# Altium PCB CONTROLLER_BASE.PcbDoc (part 5 of 7) (continued)
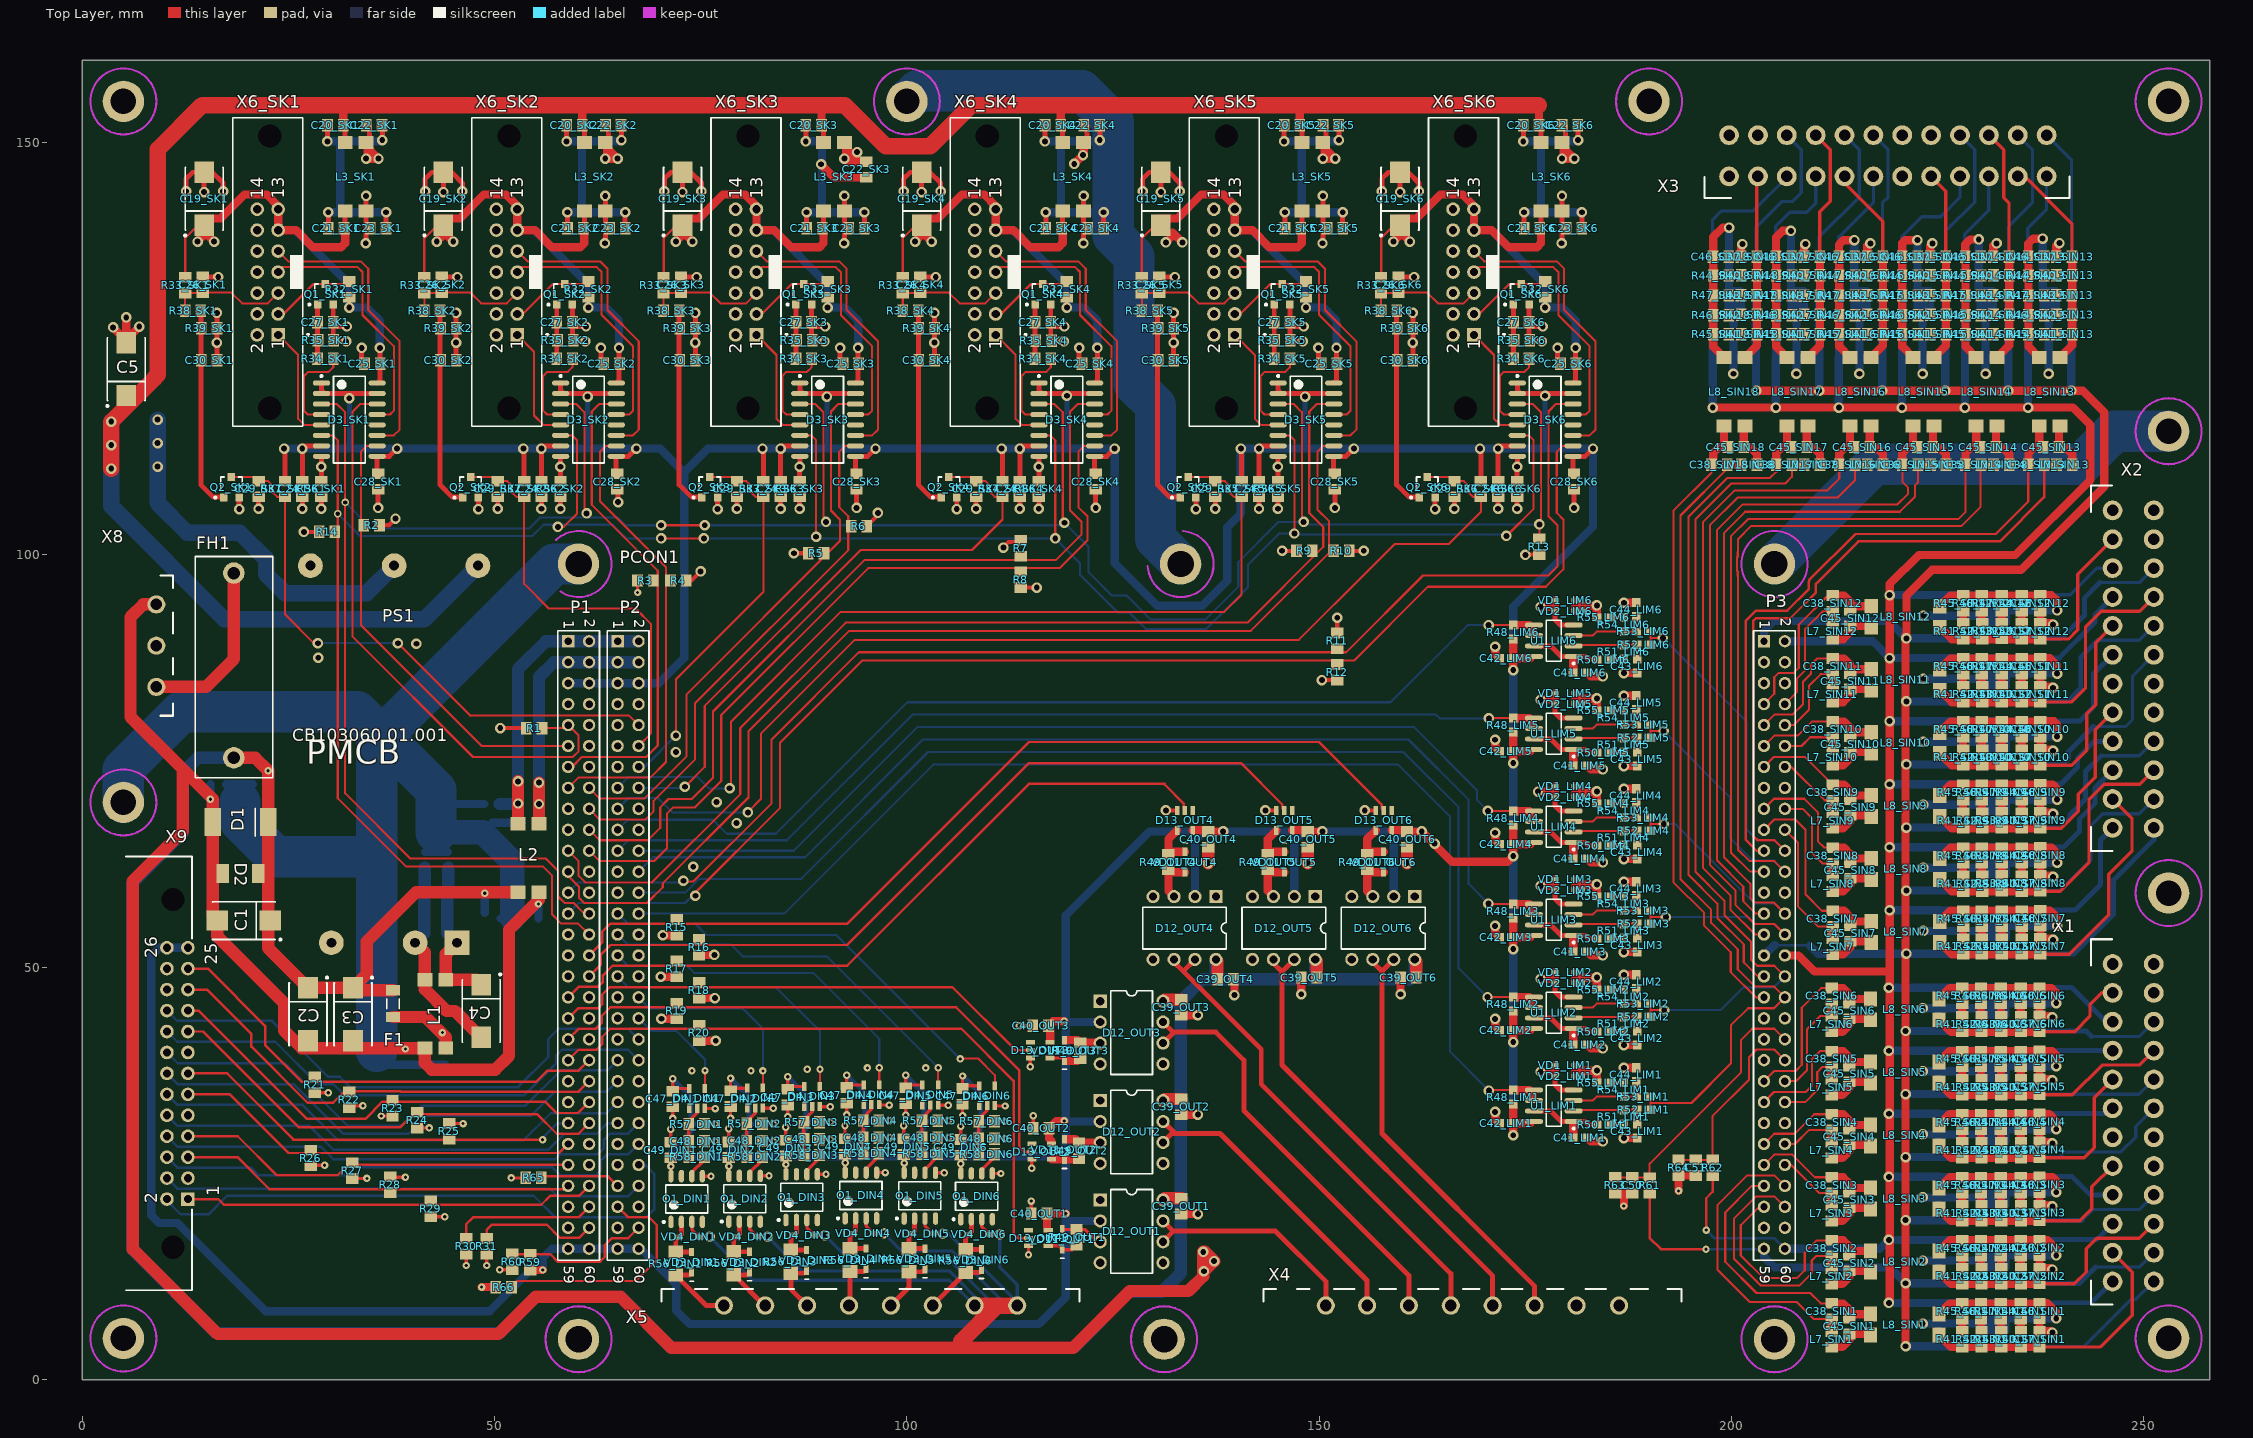
[diagram p0: Top Layer view]
## Nets (pads, with @x,y where several pads share a name; then routed paths per layer and width w, separated by ;. In a path a pad name is that pad's centre, name@x,y a point inside that pad or via, vN(x,y) a via of type N, cw(c..) or ccw(c..) an arc to the next point about the centre after c; other vN are vias at no path point) (continued)
  Top Layer w1: v1(70.165,48.859) R17.2@72.085,48.859 ; v1(70.246,43.754) R19.2@72.111,43.754 ; v1(70.419,53.889) R15.2@72.111,53.889 ; R16.2@74.803,51.501 v1(76.672,51.501) ; R20.2@74.828,41.087 v1(76.825,41.087) ; R18.2@74.828,46.269 v1(76.723,46.269) ; v1(171.335,32.475) 171.335,31.574 C42_LIM1.2@171.831,31.078 ; v1(171.335,43.752) 171.335,42.852 C42_LIM2.2@171.831,42.355 ; v1(171.335,55.03) 171.335,54.129 C42_LIM3.2@171.831,53.633 ; v1(171.335,66.308) 171.335,65.407 C42_LIM4.2@171.831,64.911 ; v1(171.335,77.585) 171.335,76.684 C42_LIM5.2@171.831,76.188 ; v1(171.335,88.863) 171.335,87.962 C42_LIM6.2@171.831,87.466 ; v1@176.555,71.323 178.594,71.323 ; v1(176.835,48.59) 178.34,48.59 178.594,48.844 ; v1(176.835,59.868) 176.86,59.893 178.594,59.893 ; v1(176.835,82.423) 176.886,82.474 178.594,82.474 ; v1(176.835,93.701) 176.86,93.726 178.594,93.726 ; VD2_LIM1.1@178.594,36.793 VD1_LIM1.2@178.594,38.114 ; VD2_LIM2.1@178.594,48.07 178.594,48.844 ; VD1_LIM2.2@178.594,49.391 178.594,48.844 ; VD2_LIM3.1@178.594,59.348 178.594,59.893 ; VD1_LIM3.2@178.594,60.669 178.594,59.893 ; VD2_LIM4.1@178.594,70.626 178.594,71.323 ; VD1_LIM4.2@178.594,71.946 178.594,71.323 ; VD2_LIM5.1@178.594,81.903 178.594,82.474 ; VD1_LIM5.2@178.594,83.224 178.594,82.474 ; VD2_LIM6.1@178.594,93.181 178.594,93.726 ; VD1_LIM6.2@178.594,94.502 178.594,93.726
  Top Layer w1.5: v1(136.551,62.627) C40_OUT4.2@136.551,64.572 ; v1(148.601,62.627) C40_OUT5.2@148.601,64.572 ; v1(160.651,62.627) C40_OUT6.2@160.651,64.572
  other v1: 74.1,62.2 79.35,67.488 76.937,70.028 176.53,71.298 72,76.1 28.626,87.528 40.538,89.23
  other v2: 81.102,37.44 73.939,37.465 87.909,37.643 95.225,37.795 102.311,37.795
DRIVER_RESET: D3_SK1.6 D3_SK2.6 D3_SK3.6 D3_SK4.6 D3_SK5.6 D3_SK6.6 PCON1.P1_30 R14.1 | length 312.5
  Top Layer w0.254: D3_SK1.6@29.025,114.495 30.405,114.495 31,113.9 v3(31,105) 31,70.5 39.3,62.2 55.9,62.2 57,61.1 57,56.4 58.1,55.3 60.144,55.3 PCON1.P1_30@61.47,53.974 ; v1(57.683,103.403) 58.4,103.403 60,105.004 60,113.9 59.405,114.495 D3_SK2.6@58.025,114.495 ; v1(70.2,102) v1(75.4,102) ; D3_SK3.6@87.025,114.495 88.405,114.495 89,113.9 v1(89,102.2) ; D3_SK4.6@116.025,114.495 117.405,114.495 118,113.9 v1(118,102) ; D3_SK5.6@145.025,114.495 146.405,114.495 147,113.9 v1(147,102.6) ; v1(172.707,102.3) 176,105.593 176,113.9 175.405,114.495 D3_SK6.6@174.025,114.495
  Bottom Layer w0.254: v3(31,105) 33.7,102.3 54.6,102.3 55.957,103.657 64.343,103.657 66,102 v1(70.2,102) ; v1(75.4,102) v1(118,102) 120.993,99.007 120.993,97.6 125.57,93.022 126.978,93.022 128.966,91.034 136.335,91.034 141.364,96.063 141.364,98.819 145.145,102.6 v1(147,102.6) ; v1@147,102.5 v1@172.8,102.5
ERR_IN1: C29_SK1.2 PCON1.P2_10 Q2_SK1.3 R37_SK1.2 | length 70
  Top Layer w0.254: Q2_SK1.3@18.1,109.45 C29_SK1.2@20.9,109.45 ; C29_SK1.2@21.4,108.95 22.55,108.95 23,108.5 23,107.7 23.65,107.05 R37_SK1.2@24.6,107.05 24.6,92.8 28.1,89.3 v1(28.6,89.3) ; v1(38.3,89.3) 47.1,80.5 47.151,80.551 66.293,80.551 PCON1.P2_10@67.47,79.374
  Bottom Layer w0.254: v1(28.6,89.3) v1(38.3,89.3)
ERR_IN2: C29_SK2.2 PCON1.P2_12 Q2_SK2.3 R37_SK2.2 | length 50.6
  Top Layer w0.254: Q2_SK2.3@47.1,109.45 C29_SK2.2@49.9,109.45 ; C29_SK2.2@50.4,108.95 51.55,108.95 52,108.5 52,107.7 52.65,107.05 R37_SK2.2@53.6,107.05 53.6,96.5 56.6,93.5 67.1,93.5 69,91.6 69,78.364 PCON1.P2_12@67.47,76.834
ERR_IN3: C29_SK3.2 PCON1.P2_14 Q2_SK3.3 R37_SK3.2 | length 46.7
  Top Layer w0.254: v1(72,78.1) 72,84.9 82.6,95.5 R37_SK3.2@82.6,107.05 81.65,107.05 81,107.7 81,108.5 80.55,108.95 C29_SK3.2@79.4,108.95 ; Q2_SK3.3@76.1,109.45 C29_SK3.2@78.9,109.45
  Bottom Layer w0.254: PCON1.P2_14@67.47,74.294 68.194,74.294 v1(72,78.1)
ERR_IN4: C29_SK4.2 PCON1.P2_16 Q2_SK4.3 R37_SK4.2 | length 72
  Top Layer w0.254: v1(73.1,71.9) 75.5,74.3 75.5,81.7 94.4,100.6 107.9,100.6 111.6,104.3 R37_SK4.2@111.6,107.05 110.65,107.05 110,107.7 110,108.5 109.55,108.95 C29_SK4.2@108.4,108.95 ; Q2_SK4.3@105.1,109.45 C29_SK4.2@107.9,109.45
  Bottom Layer w0.254: PCON1.P2_16@67.47,71.754 72.954,71.754 v1(73.1,71.9)
ERR_IN5: C29_SK5.2 PCON1.P2_15 Q2_SK5.3 R37_SK5.2 | length 110.4
  Top Layer w0.254: v1@78.7,71.5 78.7,79.8 92,93.1 138.49,93.1 140.6,95.21 R37_SK5.2@140.6,107.05 139.65,107.05 139,107.7 139,108.5 138.55,108.95 C29_SK5.2@137.4,108.95 ; Q2_SK5.3@134.1,109.45 C29_SK5.2@136.9,109.45
  Bottom Layer w0.254: PCON1.P2_15@64.93,71.754 66.227,73.05 74.651,73.05 75.997,71.704 v1(78.511,71.704)
ERR_IN6: C29_SK6.2 PCON1.P2_17 Q2_SK6.3 R37_SK6.2 | length 134.8
  Top Layer w0.254: v1(80.721,68.783) 80.721,68.821 82.3,70.4 82.3,78.3 93.7,89.7 147.536,89.7 155.943,98.107 159.161,101.325 165.725,101.325 169.6,105.2 R37_SK6.2@169.6,107.05 168.65,107.05 168,107.7 168,108.5 167.55,108.95 C29_SK6.2@166.4,108.95 ; Q2_SK6.3@163.1,109.45 C29_SK6.2@165.9,109.45
  Bottom Layer w0.254: PCON1.P2_17@64.93,69.214 66.252,70.536 69.799,70.536 71.552,68.783 v1(80.721,68.783)
ERR_SET_SK1: D3_SK1.4 R34_SK1.1 | length 11.6
  Top Layer w0.254: D3_SK1.4@29.025,117.035 27.365,117.035 26.9,117.5 26.9,121.7 27.4,122.2 29.9,122.2 30.45,122.75 R34_SK1.1@30.45,123.8
ERR_SET_SK2: D3_SK2.4 R34_SK2.1 | length 11.6
  Top Layer w0.254: D3_SK2.4@58.025,117.035 56.365,117.035 55.9,117.5 55.9,121.7 56.4,122.2 58.9,122.2 59.45,122.75 R34_SK2.1@59.45,123.8
ERR_SET_SK3: D3_SK3.4 R34_SK3.1 | length 11.6
  Top Layer w0.254: D3_SK3.4@87.025,117.035 85.365,117.035 84.9,117.5 84.9,121.7 85.4,122.2 87.9,122.2 88.45,122.75 R34_SK3.1@88.45,123.8
ERR_SET_SK4: D3_SK4.4 R34_SK4.1 | length 11.6
  Top Layer w0.254: D3_SK4.4@116.025,117.035 114.365,117.035 113.9,117.5 113.9,121.7 114.4,122.2 116.9,122.2 117.45,122.75 R34_SK4.1@117.45,123.8
ERR_SET_SK5: D3_SK5.4 R34_SK5.1 | length 11.6
  Top Layer w0.254: D3_SK5.4@145.025,117.035 143.365,117.035 142.9,117.5 142.9,121.7 143.4,122.2 145.9,122.2 146.45,122.75 R34_SK5.1@146.45,123.8
ERR_SET_SK6: D3_SK6.4 R34_SK6.1 | length 11.6
  Top Layer w0.254: D3_SK6.4@174.025,117.035 172.365,117.035 171.9,117.5 171.9,121.7 172.4,122.2 174.9,122.2 175.45,122.75 R34_SK6.1@175.45,123.8
GLOBAL_ERR: D3_SK1.3 D3_SK2.3 D3_SK3.3 D3_SK4.3 D3_SK5.3 D3_SK6.3 PCON1.P1_28 R13.1 | length 332.1
  Top Layer w0.254: D3_SK1.3@29.025,118.305 30.895,118.305 31.9,117.3 v3(31.9,106.37) 31.9,71.1 39.8,63.2 56.2,63.2 57.708,61.692 57.708,58.592 58.5,57.8 59.6,57.8 60.886,56.514 PCON1.P1_28@61.47,56.514 ; D3_SK2.3@58.025,118.305 59.895,118.305 60.9,117.3 60.9,105.6 61.3,105.2 61.163,105.063 v1(61.163,105.029) ; v1(70.2,103.6) v1(75.5,103.6) ; D3_SK3.3@87.025,118.305 88.895,118.305 89.9,117.3 89.9,104.3 v1(90.2,104) ; D3_SK4.3@116.025,118.305 117.895,118.305 118.9,117.3 118.9,104.1 v1(119.1,103.9) ; D3_SK5.3@145.025,118.305 146.895,118.305 147.9,117.3 147.9,104.2 v1(148.1,104) ; D3_SK6.3@174.025,118.305 175.895,118.305 176.9,117.3 v1@176.9,103.9 ; R13.1@176.7,101.95 v1(176.7,103.7)
  Bottom Layer w0.254: v3(31.9,106.37) 35.07,103.2 54.2,103.2 55.521,104.521 64.979,104.521 65.9,103.6 v1(70.2,103.6) ; v1(75.5,103.6) v1@119.329,103.6 ; v1(119.1,103.9) 122.037,100.963 122.037,97.901 124.85,95.088 126.654,95.088 129.591,92.151 136.169,92.151 140.183,96.164 140.183,99.136 145.046,104 v1(148.1,104) ; v1@147.904,103.7 v1(176.7,103.7)
LIMOUT1: PCON1.P2_28 R48_LIM1.2 U1_LIM1.5 U1_LIM1.6 | length 149.6
  Top Layer w0.254: v1@170.536,35.103 R48_LIM1.2@173.519,35.103
  Top Layer w1: R48_LIM1.2@173.519,35.103 175.489,35.103 175.932,34.659 175.932,34.329
  Bottom Layer w0.254: PCON1.P2_28@67.47,56.514 85.14,56.514 103.2,74.574 159.574,74.574 165.837,68.312 165.837,39.802 v1(170.586,35.052)
LIMOUT2: PCON1.P2_26 R48_LIM2.2 U1_LIM2.5 U1_LIM2.6 | length 139.6
  Top Layer w0.254: v1@170.536,46.38 R48_LIM2.2@173.519,46.38
  Top Layer w1: R48_LIM2.2@173.519,46.38 175.489,46.38 175.932,45.937 175.932,45.607
  Bottom Layer w0.254: PCON1.P2_26@67.47,59.054 73.151,59.054 74.828,60.731 87.202,60.731 102.569,76.098 160.205,76.098 166.903,69.4 166.903,49.886 v1(170.409,46.38)
LIMOUT3: PCON1.P2_24 R48_LIM3.2 U1_LIM3.5 U1_LIM3.6 | length 129.8
  Top Layer w0.254: v1@170.536,57.658 R48_LIM3.2@173.519,57.658
  Top Layer w1: R48_LIM3.2@173.519,57.658 175.489,57.658 175.932,57.214 175.932,56.884
  Bottom Layer w0.254: PCON1.P2_24@67.47,61.594 69.224,63.348 87.663,63.348 101.938,77.622 160.837,77.622 168.123,70.336 168.123,60.122 v1(170.51,57.734)
LIMOUT4: PCON1.P2_22 R48_LIM4.2 U1_LIM4.5 U1_LIM4.6 | length 120
  Top Layer w0.254: v1@170.536,68.936 R48_LIM4.2@173.519,68.936
  Top Layer w1: R48_LIM4.2@173.519,68.936 175.489,68.936 175.932,68.492 175.932,68.162
  Bottom Layer w0.254: PCON1.P2_22@67.47,64.134 86.294,64.134 101.306,79.146 161.468,79.146 169.113,71.501 169.113,70.307 v1(170.459,68.961)
LIMOUT5: PCON1.P2_21 R48_LIM5.2 U1_LIM5.5 U1_LIM5.6 | length 118.6
  Top Layer w0.254: v1@170.536,80.213 R48_LIM5.2@173.519,80.213
  Top Layer w1: R48_LIM5.2@173.519,80.213 175.489,80.213 175.932,79.77 175.932,79.439
  Bottom Layer w0.254: PCON1.P2_21@64.93,64.134 66.201,65.405 85.446,65.405 100.686,80.645 164.16,80.645 164.617,80.188 v1(170.586,80.188)
LIMOUT6: PCON1.P2_19 R48_LIM6.2 U1_LIM6.5 U1_LIM6.6 | length 123.2
  Top Layer w0.254: v1(170.536,91.491) R48_LIM6.2@173.519,91.491
  Top Layer w1: R48_LIM6.2@173.519,91.491 175.489,91.491 175.932,91.047 175.932,90.717
  Bottom Layer w0.254: PCON1.P2_19@64.93,66.674 66.151,67.894 76.479,67.894 78.181,66.192 84.114,66.192 100.065,82.144 158.648,82.144 167.996,91.491 v1(170.536,91.491)
MIN1: PCON1.P2_54 X9.4 | length 58.6
  Bottom Layer w0.3: X9.4@10.287,24.435 11.557,23.165 56.699,23.165 57.613,22.25 66.227,22.25 PCON1.P2_54@67.47,23.494
MIN2: PCON1.P2_52 X9.2 | length 69
  Bottom Layer w0.3: X9.2@10.287,21.895 10.287,21.717 11.963,20.041 15.316,20.041 17.577,22.301 54.762,22.301 57.353,19.71 68.453,19.71 69.367,20.625 69.367,24.968 68.302,26.034 PCON1.P2_52@67.47,26.034
MIN3: PCON1.P2_50 X9.6 | length 61.1
  Bottom Layer w0.3: X9.6@10.287,26.975 11.557,25.705 20.472,25.705 21.387,24.79 31.979,24.79 32.918,25.73 57.023,25.73 57.988,24.765 62.281,24.765 62.865,25.349 62.865,26.492 63.729,27.356 66.252,27.356 PCON1.P2_50@67.47,28.574
MIN4: PCON1.P2_48 X9.8 | length 60.8
  Bottom Layer w0.3: X9.8@10.287,29.515 11.532,28.27 28.931,28.27 30.48,26.721 57.353,26.721 57.937,27.305 62.509,27.305 63.246,28.042 63.246,29.083 64.008,29.845 66.201,29.845 PCON1.P2_48@67.47,31.114
MIN5: PCON1.P2_47 X9.10 | length 57.7
  Bottom Layer w0.3: X9.10@10.287,32.055 11.582,30.759 27.584,30.759 30.455,27.889 56.54,27.889 58.471,29.82 62.408,29.82 63.702,31.114 PCON1.P2_47@64.93,31.114
MIN6: PCON1.P2_45 X9.12 | length 58.9
  Bottom Layer w0.3: X9.12@10.287,34.595 11.557,33.325 26.746,33.325 31.039,29.032 53.543,29.032 56.82,32.309 63.585,32.309 PCON1.P2_45@64.93,33.654
MIN7: PCON1.P2_43 X9.14 | length 60.3
  Bottom Layer w0.3: X9.14@10.287,37.135 11.582,35.839 25.654,35.839 31.699,29.794 39.548,29.794 41.758,32.004 54.407,32.004 57.328,34.925 63.661,34.925 PCON1.P2_43@64.93,36.194
MIN8: PCON1.P2_41 X9.16 | length 61.6
  Bottom Layer w0.3: X9.16@10.287,39.675 11.592,38.37 ; 11.598,38.364 11.592,38.37 ; PCON1.P2_41@64.93,38.734 63.687,37.49 58.039,37.49 53.772,33.223 41.199,33.223 38.735,30.759 32.207,30.759 24.597,38.37 11.592,38.37
MIN9: PCON1.P2_42 X9.18 | length 63.7
  Bottom Layer w0.3: X9.18@10.287,42.215 11.532,40.97 23.419,40.97 28.55,35.839 30.455,35.839 31.801,34.493 53.619,34.493 57.506,38.379 57.506,39.319 58.191,40.005 66.199,40.005 PCON1.P2_42@67.47,38.734
MIN10: PCON1.P2_40 X9.20 | length 65.7
  Bottom Layer w0.3: X9.20@10.287,44.755 11.532,43.51 23.038,43.51 29.82,36.728 31.242,36.728 32.487,35.484 52.857,35.484 56.515,39.141 56.515,41.3 57.76,42.545 66.199,42.545 PCON1.P2_40@67.47,41.274
MOUT1: PCON1.P1_54 R29.1 X9.1 | length 49.9
  Top Layer w0.3: X9.1@12.827,21.895 16.51,21.895 17.196,21.209 55.677,21.209 56.744,22.276 60.252,22.276 PCON1.P1_54@61.47,23.494
MOUT2: PCON1.P1_53 R28.1 X9.5 | length 47.3
  Top Layer w0.3: X9.5@12.827,26.975 18.821,26.975 22.708,23.089 PCON1.P1_53@58.525,23.089
MOUT3: PCON1.P1_51 R27.1 X9.7 | length 48.6
  Top Layer w0.3: X9.7@12.827,29.515 18.872,29.515 23.622,24.765 30.937,24.765 32.206,26.034 PCON1.P1_51@58.93,26.034
MOUT4: PCON1.P1_49 R26.1 X9.11 | length 49.5
  Top Layer w0.3: X9.11@12.827,34.595 17.932,34.595 25.044,27.483 57.839,27.483 PCON1.P1_49@58.93,28.574
MOUT5: PCON1.P1_47 R25.1 X9.13 | length 50.4
  Top Layer w0.3: X9.13@12.827,37.135 17.602,37.135 25.629,29.108 v2(55.829,29.108)
  Bottom Layer w0.3: v2(55.829,29.108) 55.829,29.312 57.632,31.114 PCON1.P1_47@58.93,31.114
MOUT6: PCON1.P1_48 R24.1 X9.17 | length 55.7
  Top Layer w0.3: X9.17@12.827,42.215 14.656,42.215 26.289,30.582 38.557,30.582 40.183,32.207 55.169,32.207 57.556,29.82 60.176,29.82 PCON1.P1_48@61.47,31.114
MOUT7: PCON1.P1_46 R23.1 X9.19 | length 56.1
  Top Layer w0.3: X9.19@12.827,44.755 14.122,44.755 27.254,31.623 34.341,31.623 36.424,33.706 56.134,33.706 57.506,32.334 60.151,32.334 PCON1.P1_46@61.47,33.654
MOUT8: PCON1.P1_44 R22.1 X9.21 | length 56.3
  Top Layer w0.3: X9.21@12.827,47.295 15.138,47.295 20.523,41.91 20.523,40.386 27.33,33.579 30.429,33.579 31.819,34.968 38.579,34.968 38.623,34.925 60.201,34.925 PCON1.P1_44@61.47,36.194
MOUT9: PCON1.P1_42 R21.1 X9.23 | length 56.8
  Top Layer w0.3: X9.23@12.827,49.835 15.265,49.835 22.2,42.901 22.2,40.564 26.619,36.144 55.093,36.144 56.413,37.465 60.201,37.465 PCON1.P1_42@61.47,38.734
MUX_SWITCH: PCON1.P1_56 R30.1 | length 17.5
  Top Layer w0.3: R30.1@46.584,17.13 46.584,18.872 47.396,19.685 60.201,19.685 PCON1.P1_56@61.47,20.954
NERR_OUT_SK1: C26_SK1.2 R33_SK1.1 R38_SK1.1 X6_SK1.5 | length 14.5
  Top Layer w0.254: R38_SK1.1@12.5,129.61 R33_SK1.1@12.5,131.75 14.56,131.75 C26_SK1.2@14.61,131.8 18.1,131.8 19.4,130.5 22.51,130.5 X6_SK1.5@23.77,131.76
NERR_OUT_SK2: C26_SK2.2 R33_SK2.1 R38_SK2.1 X6_SK2.5 | length 14.5
  Top Layer w0.254: R38_SK2.1@41.5,129.61 R33_SK2.1@41.5,131.75 43.56,131.75 C26_SK2.2@43.61,131.8 47.1,131.8 48.4,130.5 51.51,130.5 X6_SK2.5@52.77,131.76
NERR_OUT_SK3: C26_SK3.2 R33_SK3.1 R38_SK3.1 X6_SK3.5 | length 14.5
  Top Layer w0.254: R38_SK3.1@70.5,129.61 R33_SK3.1@70.5,131.75 72.56,131.75 C26_SK3.2@72.61,131.8 76.1,131.8 77.4,130.5 80.51,130.5 X6_SK3.5@81.77,131.76
NERR_OUT_SK4: C26_SK4.2 R33_SK4.1 R38_SK4.1 X6_SK4.5 | length 14.5
  Top Layer w0.254: R38_SK4.1@99.5,129.61 R33_SK4.1@99.5,131.75 101.56,131.75 C26_SK4.2@101.61,131.8 105.1,131.8 106.4,130.5 109.51,130.5 X6_SK4.5@110.77,131.76
NERR_OUT_SK5: C26_SK5.2 R33_SK5.1 R38_SK5.1 X6_SK5.5 | length 14.5
  Top Layer w0.254: R38_SK5.1@128.5,129.61 R33_SK5.1@128.5,131.75 130.56,131.75 C26_SK5.2@130.61,131.8 134.1,131.8 135.4,130.5 138.51,130.5 X6_SK5.5@139.77,131.76
NERR_OUT_SK6: C26_SK6.2 R33_SK6.1 R38_SK6.1 X6_SK6.5 | length 14.5
  Top Layer w0.254: R38_SK6.1@157.5,129.61 R33_SK6.1@157.5,131.75 159.56,131.75 C26_SK6.2@159.61,131.8 163.1,131.8 164.4,130.5 167.51,130.5 X6_SK6.5@168.77,131.76
NERRIN_SK1: Q1_SK1.3 R32_SK1.1 X6_SK1.3 | length 9.9
  Top Layer w0.254: X6_SK1.3@23.77,129.22 24.42,129.22 28.05,132.85 Q1_SK1.3@29.5,132.85 R32_SK1.1@32.2,132.85
NERRIN_SK2: Q1_SK2.3 R32_SK2.1 X6_SK2.3 | length 9.9
  Top Layer w0.254: X6_SK2.3@52.77,129.22 53.42,129.22 57.05,132.85 Q1_SK2.3@58.5,132.85 R32_SK2.1@61.2,132.85
NERRIN_SK3: Q1_SK3.3 R32_SK3.1 X6_SK3.3 | length 9.9
  Top Layer w0.254: X6_SK3.3@81.77,129.22 82.42,129.22 86.05,132.85 Q1_SK3.3@87.5,132.85 R32_SK3.1@90.2,132.85
NERRIN_SK4: Q1_SK4.3 R32_SK4.1 X6_SK4.3 | length 9.9
  Top Layer w0.254: X6_SK4.3@110.77,129.22 111.42,129.22 115.05,132.85 Q1_SK4.3@116.5,132.85 R32_SK4.1@119.2,132.85
NERRIN_SK5: Q1_SK5.3 R32_SK5.1 X6_SK5.3 | length 9.9
  Top Layer w0.254: X6_SK5.3@139.77,129.22 140.42,129.22 144.05,132.85 Q1_SK5.3@145.5,132.85 R32_SK5.1@148.2,132.85
NERRIN_SK6: Q1_SK6.3 R32_SK6.1 X6_SK6.3 | length 9.9
  Top Layer w0.254: X6_SK6.3@168.77,129.22 169.42,129.22 173.05,132.85 Q1_SK6.3@174.5,132.85 R32_SK6.1@177.2,132.85
NetC4_1: C4.1 C7.2 C8.2 C9.2 L1.4 PS1.1 | length 18.3
  Top Layer w1.5: PS1.1@45.46,52.98 44.1,51.62 L1.4@44.1,48.5 C4.1@47.8,48.5
  Bottom Layer w1.5: C8.2@44.292,59.406 C9.2@44.292,56.895 44.292,54.148 PS1.1@45.46,52.98 ; C8.2@44.374,59.488 C7.2@44.374,62.093
NetC4_2: C4.2 C8.1 C9.1 C13.1 L1.3 PS1.2 | length 24.9
  Top Layer w1.5: PS1.2@40.38,52.98 41.56,51.8 L1.3@41.56,48.5 41.56,47.34 44.2,44.7 45.2,44.7 C4.2@48.4,41.5
  Bottom Layer w1.5: PS1.2@40.38,52.98 41.492,54.092 C9.1@41.492,56.895 C8.1@41.492,59.406 ; C8.1@41.554,59.469 C13.1@41.554,62.067
NetC6_2: C6.2 F1.2 L1.1 | length 10.9
  Top Layer w1.5: F1.2@37.7,43.975 41.625,43.975 44.1,41.5 L1.1@44.1,40.2
  Bottom Layer w1: v2(43.688,42.088) 44.069,41.707 C6.2@44.069,40.091
NetC27_SK1_2: C27_SK1.2 Q1_SK1.1 R34_SK1.2 R35_SK1.1 | length 6.5
  Top Layer w0.6: R34_SK1.2@28.55,123.8 C27_SK1.2@28.55,128.2 Q1_SK1.1@28.55,130.35
NetC27_SK2_2: C27_SK2.2 Q1_SK2.1 R34_SK2.2 R35_SK2.1 | length 6.5
  Top Layer w0.6: R34_SK2.2@57.55,123.8 C27_SK2.2@57.55,128.2 Q1_SK2.1@57.55,130.35
NetC27_SK3_2: C27_SK3.2 Q1_SK3.1 R34_SK3.2 R35_SK3.1 | length 6.5
  Top Layer w0.6: R34_SK3.2@86.55,123.8 C27_SK3.2@86.55,128.2 Q1_SK3.1@86.55,130.35
NetC27_SK4_2: C27_SK4.2 Q1_SK4.1 R34_SK4.2 R35_SK4.1 | length 6.5
  Top Layer w0.6: R34_SK4.2@115.55,123.8 C27_SK4.2@115.55,128.2 Q1_SK4.1@115.55,130.35
NetC27_SK5_2: C27_SK5.2 Q1_SK5.1 R34_SK5.2 R35_SK5.1 | length 6.5
  Top Layer w0.6: R34_SK5.2@144.55,123.8 C27_SK5.2@144.55,128.2 Q1_SK5.1@144.55,130.35
NetC27_SK6_2: C27_SK6.2 Q1_SK6.1 R34_SK6.2 R35_SK6.1 | length 6.5
  Top Layer w0.6: R34_SK6.2@173.55,123.8 C27_SK6.2@173.55,128.2 Q1_SK6.1@173.55,130.35
NetC30_SK1_2: C30_SK1.2 Q2_SK1.1 R38_SK1.2 R39_SK1.1 | length 24.6
  Top Layer w0.6: R38_SK1.2@14.4,129.61 14.4,108.5 15.9,107 16.9,107 Q2_SK1.1@17.15,106.75
NetC30_SK2_2: C30_SK2.2 Q2_SK2.1 R38_SK2.2 R39_SK2.1 | length 24.6
  Top Layer w0.6: R38_SK2.2@43.4,129.61 43.4,108.5 44.9,107 45.9,107 Q2_SK2.1@46.15,106.75
NetC30_SK3_2: C30_SK3.2 Q2_SK3.1 R38_SK3.2 R39_SK3.1 | length 24.6
  Top Layer w0.6: R38_SK3.2@72.4,129.61 72.4,108.5 73.9,107 74.9,107 Q2_SK3.1@75.15,106.75
NetC30_SK4_2: C30_SK4.2 Q2_SK4.1 R38_SK4.2 R39_SK4.1 | length 24.6
  Top Layer w0.6: R38_SK4.2@101.4,129.61 101.4,108.5 102.9,107 103.9,107 Q2_SK4.1@104.15,106.75
NetC30_SK5_2: C30_SK5.2 Q2_SK5.1 R38_SK5.2 R39_SK5.1 | length 24.6
  Top Layer w0.6: R38_SK5.2@130.4,129.61 130.4,108.5 131.9,107 132.9,107 Q2_SK5.1@133.15,106.75
NetC30_SK6_2: C30_SK6.2 Q2_SK6.1 R38_SK6.2 R39_SK6.1 | length 24.6
  Top Layer w0.6: R38_SK6.2@159.4,129.61 159.4,108.5 160.9,107 161.9,107 Q2_SK6.1@162.15,106.75
NetC41_LIM1_1: C41_LIM1.1 R50_LIM1.1 U1_LIM1.1 U1_LIM1.7 | length 9.9
  Top Layer w0.6: U1_LIM1.7@176.047,32.576 178.066,32.576 179.336,31.306 U1_LIM1.1@180.847,31.306 182.231,31.306 182.612,30.925 R50_LIM1.1@183.667,30.925
  Top Layer w1: C41_LIM1.1@180.797,29.351 180.797,30.976
NetC41_LIM2_1: C41_LIM2.1 R50_LIM2.1 U1_LIM2.1 U1_LIM2.7 | length 9.9
  Top Layer w0.6: U1_LIM2.7@176.047,43.854 178.066,43.854 179.336,42.584 U1_LIM2.1@180.847,42.584 182.231,42.584 182.612,42.203 R50_LIM2.1@183.667,42.203
  Top Layer w1: C41_LIM2.1@180.797,40.628 180.797,42.254
NetC41_LIM3_1: C41_LIM3.1 R50_LIM3.1 U1_LIM3.1 U1_LIM3.7 | length 9.9
  Top Layer w0.6: U1_LIM3.7@176.047,55.132 178.066,55.132 179.336,53.862 U1_LIM3.1@180.847,53.862 182.231,53.862 182.612,53.481 R50_LIM3.1@183.667,53.481
  Top Layer w1: C41_LIM3.1@180.797,51.906 180.797,53.531
NetC41_LIM4_1: C41_LIM4.1 R50_LIM4.1 U1_LIM4.1 U1_LIM4.7 | length 9.9
  Top Layer w0.6: U1_LIM4.7@176.047,66.409 178.066,66.409 179.336,65.139 U1_LIM4.1@180.847,65.139 182.231,65.139 182.612,64.758 R50_LIM4.1@183.667,64.758
  Top Layer w1: C41_LIM4.1@180.797,63.183 180.797,64.809
NetC41_LIM5_1: C41_LIM5.1 R50_LIM5.1 U1_LIM5.1 U1_LIM5.7 | length 9.9
  Top Layer w0.6: U1_LIM5.7@176.047,77.687 178.066,77.687 179.336,76.417 U1_LIM5.1@180.847,76.417 182.231,76.417 182.612,76.036 R50_LIM5.1@183.667,76.036
  Top Layer w1: C41_LIM5.1@180.797,74.461 180.797,76.087
NetC41_LIM6_1: C41_LIM6.1 R50_LIM6.1 U1_LIM6.1 U1_LIM6.7 | length 9.9
  Top Layer w0.6: U1_LIM6.7@176.047,88.964 178.066,88.964 179.336,87.694 U1_LIM6.1@180.847,87.694 182.231,87.694 182.612,87.313 R50_LIM6.1@183.667,87.313
  Top Layer w1: C41_LIM6.1@180.797,85.739 180.797,87.364
NetC43_LIM1_1: C43_LIM1.1 R51_LIM1.2 R52_LIM1.1 U1_LIM1.2 | length 9.4
  Top Layer w0.254: U1_LIM1.2@180.847,32.576 180.986,32.715 R51_LIM1.2@186.93,32.715 ; R51_LIM1.2@186.944,32.729 R52_LIM1.1@188.519,32.729 C43_LIM1.1@188.519,31.025
NetC43_LIM2_1: C43_LIM2.1 R51_LIM2.2 R52_LIM2.1 U1_LIM2.2 | length 9.4
  Top Layer w0.254: U1_LIM2.2@180.847,43.854 180.986,43.993 R51_LIM2.2@186.93,43.993 ; R51_LIM2.2@186.944,44.006 R52_LIM2.1@188.519,44.006 C43_LIM2.1@188.519,42.303
NetC43_LIM3_1: C43_LIM3.1 R51_LIM3.2 R52_LIM3.1 U1_LIM3.2 | length 9.4
  Top Layer w0.254: U1_LIM3.2@180.847,55.132 180.986,55.27 R51_LIM3.2@186.93,55.27 ; R51_LIM3.2@186.944,55.284 R52_LIM3.1@188.519,55.284 C43_LIM3.1@188.519,53.58
NetC43_LIM4_1: C43_LIM4.1 R51_LIM4.2 R52_LIM4.1 U1_LIM4.2 | length 9.4
  Top Layer w0.254: U1_LIM4.2@180.847,66.409 180.986,66.548 R51_LIM4.2@186.93,66.548 ; R51_LIM4.2@186.944,66.562 R52_LIM4.1@188.519,66.562 C43_LIM4.1@188.519,64.858
NetC43_LIM5_1: C43_LIM5.1 R51_LIM5.2 R52_LIM5.1 U1_LIM5.2 | length 9.4
  Top Layer w0.254: U1_LIM5.2@180.847,77.687 180.986,77.826 R51_LIM5.2@186.93,77.826 ; R51_LIM5.2@186.944,77.839 R52_LIM5.1@188.519,77.839 C43_LIM5.1@188.519,76.136
NetC43_LIM6_1: C43_LIM6.1 R51_LIM6.2 R52_LIM6.1 U1_LIM6.2 | length 9.4
  Top Layer w0.254: U1_LIM6.2@180.847,88.964 180.986,89.103 R51_LIM6.2@186.93,89.103 ; R51_LIM6.2@186.944,89.117 R52_LIM6.1@188.519,89.117 C43_LIM6.1@188.519,87.413
NetC44_LIM1_1: C44_LIM1.1 R53_LIM1.2 R54_LIM1.1 U1_LIM1.3 | length 9.6
  Top Layer w0.254: U1_LIM1.3@180.847,33.846 183.171,33.846 183.642,34.317 R54_LIM1.1@186.956,34.317 ; R54_LIM1.1@186.968,34.329 R53_LIM1.2@188.468,34.329 188.454,34.343 C44_LIM1.1@188.454,36.121
NetC44_LIM2_1: C44_LIM2.1 R53_LIM2.2 R54_LIM2.1 U1_LIM2.3 | length 9.6
  Top Layer w0.254: U1_LIM2.3@180.847,45.124 183.171,45.124 183.642,45.595 R54_LIM2.1@186.956,45.595 ; R54_LIM2.1@186.968,45.607 R53_LIM2.2@188.468,45.607 188.454,45.62 C44_LIM2.1@188.454,47.398
NetC44_LIM3_1: C44_LIM3.1 R53_LIM3.2 R54_LIM3.1 U1_LIM3.3 | length 9.6
  Top Layer w0.254: U1_LIM3.3@180.847,56.402 183.171,56.402 183.642,56.872 R54_LIM3.1@186.956,56.872 ; R54_LIM3.1@186.968,56.884 R53_LIM3.2@188.468,56.884 188.454,56.898 C44_LIM3.1@188.454,58.676
NetC44_LIM4_1: C44_LIM4.1 R53_LIM4.2 R54_LIM4.1 U1_LIM4.3 | length 9.6
  Top Layer w0.254: U1_LIM4.3@180.847,67.679 183.171,67.679 183.642,68.15 R54_LIM4.1@186.956,68.15 ; R54_LIM4.1@186.968,68.162 R53_LIM4.2@188.468,68.162 188.454,68.175 C44_LIM4.1@188.454,69.953
NetC44_LIM5_1: C44_LIM5.1 R53_LIM5.2 R54_LIM5.1 U1_LIM5.3 | length 9.6
  Top Layer w0.254: U1_LIM5.3@180.847,78.957 183.171,78.957 183.642,79.428 R54_LIM5.1@186.956,79.428 ; R54_LIM5.1@186.968,79.439 R53_LIM5.2@188.468,79.439 188.454,79.453 C44_LIM5.1@188.454,81.231
NetC44_LIM6_1: C44_LIM6.1 R53_LIM6.2 R54_LIM6.1 U1_LIM6.3 | length 9.6
  Top Layer w0.254: U1_LIM6.3@180.847,90.234 183.171,90.234 183.642,90.705 R54_LIM6.1@186.956,90.705 ; R54_LIM6.1@186.968,90.717 R53_LIM6.2@188.468,90.717 188.454,90.731 C44_LIM6.1@188.454,92.509
NetC45_SIN1_2: C45_SIN1.2 L7_SIN1.1 L8_SIN1.1 | length 5.7
  Top Layer w1: L7_SIN1.1@212.15,3.947 213.43,3.947 214.284,4.8 C45_SIN1.2@214.284,5.547 L8_SIN1.1@216.707,5.547
NetC45_SIN2_2: C45_SIN2.2 L7_SIN2.1 L8_SIN2.1 | length 5.7
  Top Layer w1: L7_SIN2.1@212.15,11.592 213.43,11.592 214.284,12.445 C45_SIN2.2@214.284,13.192 L8_SIN2.1@216.707,13.192
NetC45_SIN3_2: C45_SIN3.2 L7_SIN3.1 L8_SIN3.1 | length 5.7
  Top Layer w1: L7_SIN3.1@212.15,19.237 213.43,19.237 214.284,20.091 C45_SIN3.2@214.284,20.838 L8_SIN3.1@216.707,20.838
NetC45_SIN4_2: C45_SIN4.2 L7_SIN4.1 L8_SIN4.1 | length 5.7
  Top Layer w1: L7_SIN4.1@212.15,26.883 213.43,26.883 214.284,27.736 C45_SIN4.2@214.284,28.483 L8_SIN4.1@216.707,28.483
NetC45_SIN5_2: C45_SIN5.2 L7_SIN5.1 L8_SIN5.1 | length 5.7
  Top Layer w1: L7_SIN5.1@212.15,34.528 213.43,34.528 214.284,35.382 C45_SIN5.2@214.284,36.128 L8_SIN5.1@216.707,36.128
NetC45_SIN6_2: C45_SIN6.2 L7_SIN6.1 L8_SIN6.1 | length 5.7
  Top Layer w1: L7_SIN6.1@212.15,42.174 213.43,42.174 214.284,43.027 C45_SIN6.2@214.284,43.774 L8_SIN6.1@216.707,43.774
NetC45_SIN7_2: C45_SIN7.2 L7_SIN7.1 L8_SIN7.1 | length 5.7
  Top Layer w1: L7_SIN7.1@212.249,51.556 213.529,51.556 214.382,52.409 C45_SIN7.2@214.382,53.156 L8_SIN7.1@216.806,53.156
NetC45_SIN8_2: C45_SIN8.2 L7_SIN8.1 L8_SIN8.1 | length 5.7
  Top Layer w1: L7_SIN8.1@212.249,59.201 213.529,59.201 214.382,60.055 C45_SIN8.2@214.382,60.801 L8_SIN8.1@216.806,60.801